# KiCad board 8-Bit CPU 32k.kicad_pcb (continued)
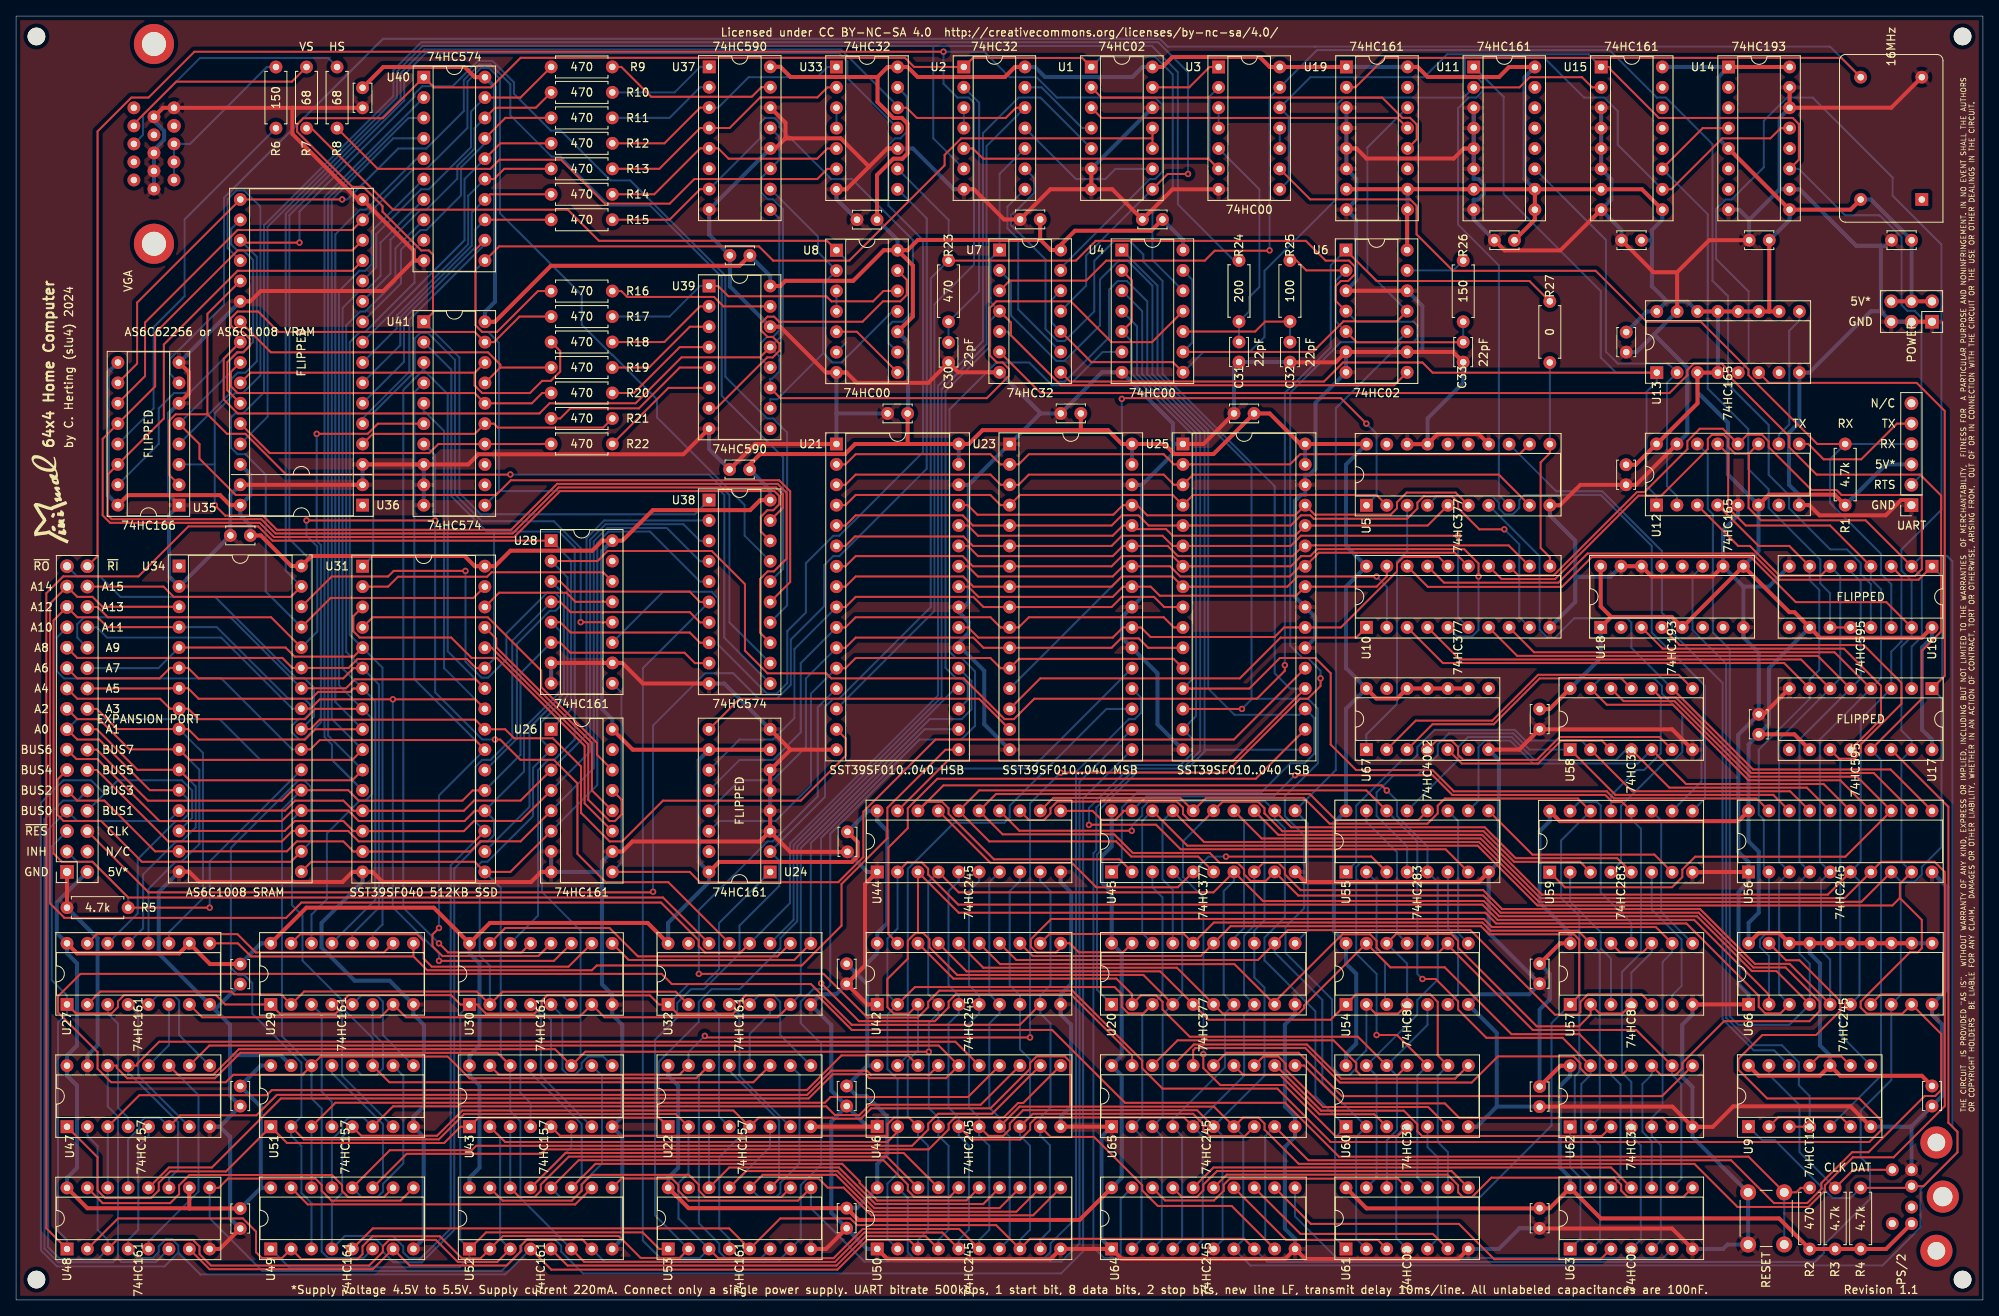
[diagram p0: board, top side]
## Routing (per net, layer and track width the routed paths; a pad name or vN(x,y) marks a point on that pad's centre or on a via; arc(x,y) is an arc through that point) (continued)
Net-(U54-Pad11): length 18.6
  Bottom w0.25: U54.11 172.08,45.72 172.08,55.8 168.27,59.61 U55.15
Net-(U55-Pad1): length 74
  Top w0.25: U58.2 201.4,63.4 221.08,63.4 U56.17
  Bottom w0.25: U55.1 167,54.61 167,61.59 172.72,67.31 173.99,67.31 174.62,67.94 174.62,68.92 176.77,71.06 186.75,71.06 188.1,69.71 195.09,69.71 U58.2
Net-(U55-Pad4): length 70.7
  Top w0.25: U56.18 218.99,62.95 199.31,62.95 U58.1
  Bottom w0.25: U55.4 173.35,56.51 169.54,60.32 169.54,63.25 171.7,65.41 174.62,65.41 177.16,67.94 177.16,69.22 178.56,70.61 186.57,70.61 188.59,68.59 U58.1
Net-(U55-Pad9): length 26
  Top w0.25: U59.7 204.17,55.51 188.97,55.51 U55.9
Net-(U55-Pad10): length 60.2
  Top w0.25: U58.5 208.12,64.3 225.26,64.3 U56.15
  Bottom w0.25: U55.10 182.25,62.23 182.25,68.92 183.04,69.71 186.2,69.71 189.05,66.86 202.1,66.86 U58.5
Net-(U55-Pad13): length 62.3
  Top w0.25: U56.16 223.17,63.85 206.03,63.85 U58.4
  Bottom w0.25: U58.4 200.65,68.59 199.38,67.31 189.24,67.31 186.38,70.16 180.95,70.16 179.7,68.92 179.7,67.31 U55.13
Net-(U56-Pad12): length 57.6
  Top w0.25: U56.12 231.51,65.67 216.27,65.67 206.85,75.09 204.95,75.09 U58.10
  Bottom w0.25: U59.13 198.75,62.85 201.93,66.04 202.87,66.04 204.95,68.12 204.95,75.09 U58.10
Net-(U56-Pad13): length 89.1
  Top w0.25: U58.12 200.32,74.64 206.67,74.64 216.08,65.22 229.42,65.22 U56.13 227.96,55.25 209.25,55.25 207.64,53.64 207.64,52.7 206.38,51.44 193,51.44 U59.1
Net-(U56-Pad14): length 79.6
  Top w0.25: U58.13 198.23,74.19 206.48,74.19 215.9,64.77 227.33,64.77 U56.14
  Bottom w0.25: U59.4 200,54.56 200,61.56 205.74,67.31 206.68,67.31 207.64,68.27 207.64,73.03 205.1,75.57 205.1,76.53 204.16,77.47 197.47,77.47 U58.13
Net-(U57-Pad3): length 18.6
  Bottom w0.25: U59.2 193.66,49.64 197.48,45.82 197.48,43.82 198.75,42.55 U57.3
Net-(U57-Pad6): length 18.5
  Bottom w0.25: U57.6 206.38,37.96 207.56,39.14 207.56,44.92 203.82,48.66 U59.6
Net-(U57-Pad8): length 18.6
  Bottom w0.25: 208.91,44.45 205.01,48.35 205.01,59.74 U59.11
Net-(U57-Pad11): length 23.2
  Bottom w0.25: U59.15 194.79,62.05 197.03,62.05 197.48,61.59 197.48,50.8 201.29,46.99 201.29,44.45
Net-(U58-Pad3): length 22.7
  Top w0.25: U67.5 180.16,66.86 189.69,66.86 192.55,69.71 197.63,69.71 U58.3
Net-(U58-Pad6): length 34.3
  Top w0.25: U67.4 177.01,69.71 178.9,69.71 179.7,68.91 179.7,67.95 180.35,67.31 189.51,67.31 192.36,70.16 204.8,70.16 U58.6
Net-(U58-Pad8): length 42.7
  Top w0.25: U67.2 174.42,72.2 183.96,72.2 189.68,77.92 207.2,77.92 U58.8
Net-(U58-Pad11): length 32.1
  Top w0.25: U67.3 176.51,71.75 184.15,71.75 189.87,77.47 200.03,77.47 U58.11
Net-(U60-Pad3): length 22.2
  Top w0.25: U65.14 152.92,28.07 157.51,28.07 162.44,23.15 169.26,23.15 U60.3
Net-(U60-Pad6): length 28.6
  Top w0.25: U65.13 155.43,30.34 157.32,30.34 158.21,29.45 158.21,28.74 162.91,24.05 175.98,24.05 U60.6
Net-(U60-Pad8): length 40.4
  Top w0.25: U60.8 179.34,27.58 165.12,27.58 160.86,31.84 146.77,31.84 U65.17
Net-(U60-Pad11): length 35.9
  Top w0.25: U60.11 172.17,28.03 167.55,28.03 167,28.57 167,29.53 164.18,32.36 144.75,32.36 U65.18
Net-(U61-Pad3): length 22.2
  Top w0.25: U64.14 158.26,7.49 169.69,7.49 U61.3
Net-(U61-Pad6): length 27.3
  Top w0.25: U61.6 176.56,8.23 160.06,8.23 U64.13
Net-(U61-Pad8): length 39.9
  Top w0.25: U64.17 145.28,12.85 147.16,12.85 147.96,13.65 147.96,14.37 149.66,16.06 178.89,16.06 U61.8
Net-(U61-Pad11): length 34.4
  Top w0.25: U61.11 172.22,15.11 151.25,15.11 150.5,14.36 150.5,13.61 149.29,12.4 143.19,12.4 U64.18
Net-(U62-Pad3): length 46.5
  Top w0.25: U65.12 157,29.22 162.62,23.6 172.94,23.6 174.62,21.91 174.62,21.02 175.21,20.43 197.61,20.43 U62.3
Net-(U62-Pad6): length 50.1
  Top w0.25: U65.11 160.52,29.22 165.24,24.5 178.05,24.5 179.83,22.71 181.44,22.71 181.46,22.7 205.24,22.7 U62.6
Net-(U62-Pad8): length 64.1
  Top w0.25: U62.8 205.12,25.4 165.23,25.4 159.83,30.8 150.81,30.8 U65.15
Net-(U62-Pad11): length 61.5
  Top w0.25: U65.16 146.69,31.12 146.96,31.39 160.67,31.39 164.97,27.1 181.4,27.1 184.66,30.35 194.1,30.35 194.94,29.52 194.94,28.87 195.75,28.05 200.15,28.05 U62.11
Net-(U63-Pad3): length 46.1
  Top w0.25: U63.3 197.47,5.08 184.2,5.08 179.8,9.48 161.35,9.48 U64.12
Net-(U63-Pad6): length 53.2
  Bottom w0.25: U63.6 205.24,5.23 164.57,5.23 159.39,10.42 U64.11
Net-(U63-Pad8): length 64.9
  Top w0.25: U64.15 150.86,15.61 178.39,15.61 179.7,14.3 179.7,13.42 180.29,12.84 181.45,12.84 183.85,15.24 199.15,15.24 200.02,14.37 200.02,13.64 200.81,12.85 207.78,12.85 U63.8
Net-(U63-Pad11): length 56.7
  Top w0.25: U64.16 149.22,16.51 198.76,16.51 U63.11

## Copper pours and planes (outline as drawn; the poured copper is in the pictures)
GND on Top, Bottom: 245.11,0 0,0 0,160.02 245.11,160.02

## Text on the board
F.Silkscreen: THE CIRCUIT  IS PROVIDED {dblquote}AS IS{dblquote},  WITHOUT WARRANTY OF ANY KIND, EXPRESS OR IMPLIED, INCLUDING BUT NOT LIMITED TO THE WARRANTIES  OF MERCHANTABILITY,  FITNESS FOR  A PARTICULAR PURPOSE AND NONINFRINGEMENT. IN NO EVENT SHALL THE AUTHORS / OR COPYRIGHT HOLDERS  BE LIABLE FOR ANY CLAIM,  DAMAGES OR OTHER LIABILITY, WHETHER IN AN ACTION OF CONTRACT, TORT OR OTHERWISE, ARISING FROM,  OUT OF OR IN CONNECTION WITH THE CIRCUIT OR THE USE OR OTHER DEALINGS IN THE CIRCUIT. | BUS6 | BUS4 | BUS2 | BUS0 | ~{RES} | INH | GND | ~{RO} | A14 | A12 | A10 | A8 | A6 | A4 | A2 | A0 | ~{RI} | A15 | A13 | A11 | A9 | A7 | A5 | A3 | A1 | BUS7 | BUS5 | BUS3 | BUS1 | CLK | N/C | 5V* | VS | HS | Licensed under CC BY-NC-SA 4.0  http://creativecommons.org/licenses/by-nc-sa/4.0/ | *Supply voltage 4.5V to 5.5V. Supply current 220mA. Connect only a single power supply. UART bitrate 500kbps, 1 start bit, 8 data bits, 2 stop bits, new line LF, transmit delay 10ms/line. All unlabeled capacitances are 100nF. | TX | RX | FLIPPED | DAT | Revision 1.1 | RTS | by C. Herting (slu4) 2024 | 64x4 Home Computer
